# Altium PCB DS134-1.0-B色度传感器partB.PcbDoc
Units mm, origin at the board's own origin, x right, y up, seen from the top; angles counter-clockwise.
Board outline 42 x 29 mm, 2 copper layers (Top Layer, Bottom Layer), stack 1.671 mm thick; 3 components, 8 nets, 20 pads, 2 vias.
Unrouted connection lines stored in the file: 1.
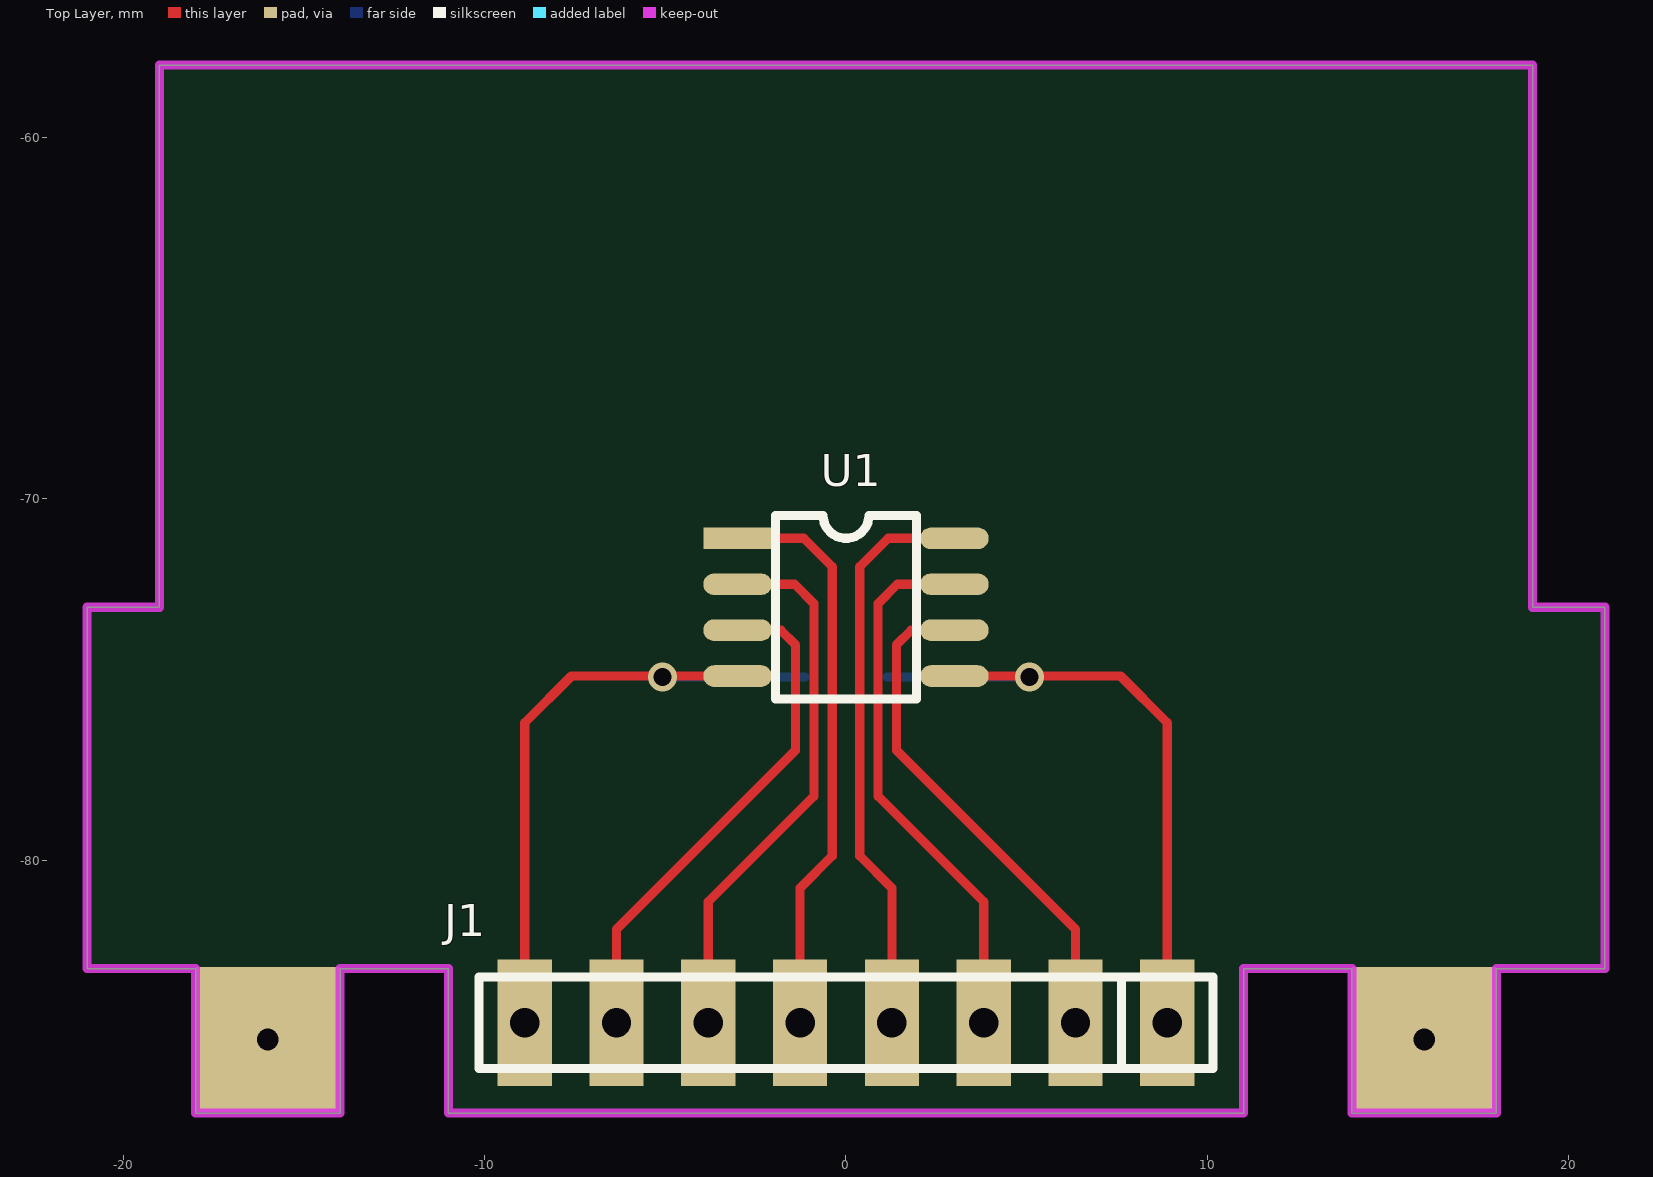
[diagram p0: Top Layer view]
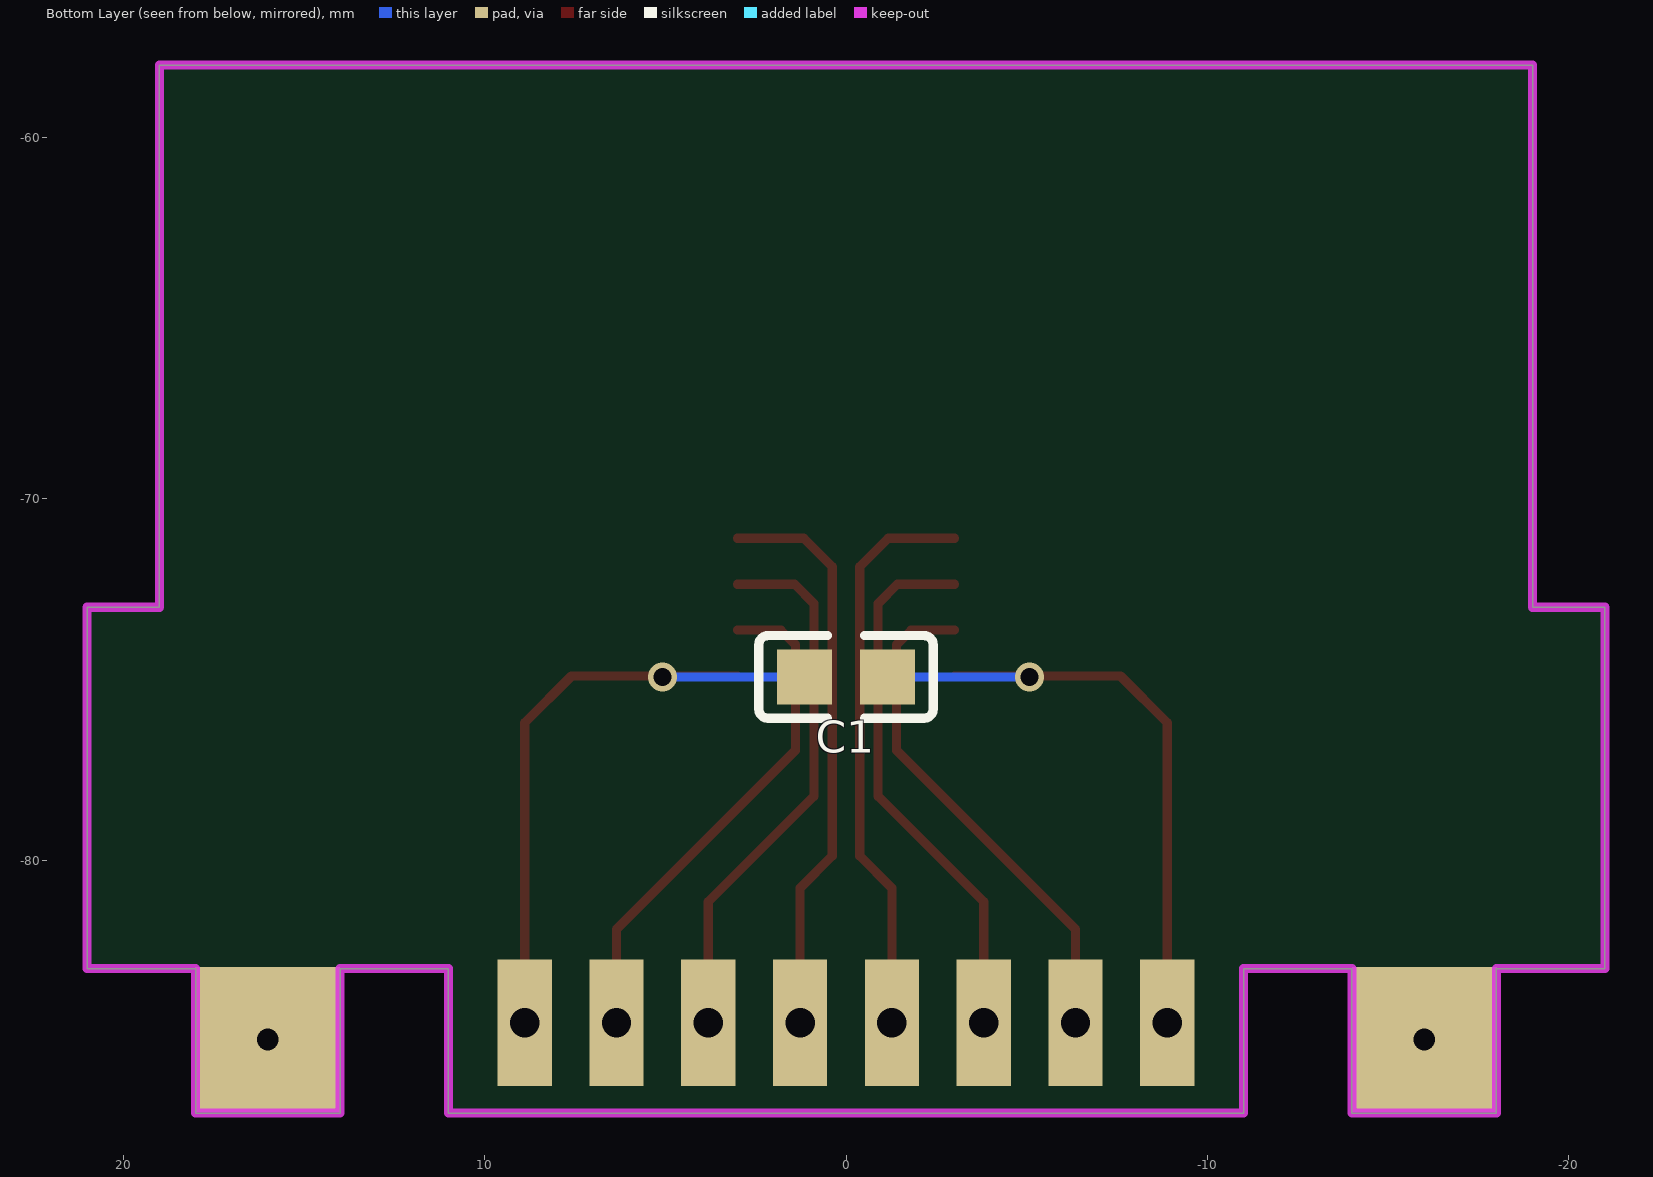
[diagram p1: Bottom Layer view, seen from below]

## Layer stack, top to bottom
Top Solder: solder mask 0.0102, Solder Resist, Dk 3.5
Top Layer: signal copper 0.0356
Dielectric 1: dielectric 1.6, FR-4, Dk 4.8
Bottom Layer: signal copper 0.0356
Bottom Solder: solder mask 0.0102, Solder Resist, Dk 3.5

## Board outline
-21,-83 -18,-83 -18,-87 -14,-87 -14,-83 -11,-83 -11,-87 11,-87 11,-83 14,-83 14,-87 18,-87 18,-83 21,-83 21,-73 19,-73 19,-58 -19,-58 -19,-73 -21,-73

## Design rules (kind name [scope] priority, off if disabled: settings)
Clearance [All] p1: gap=0.2 ignorepadtopadclearanceinfootprint=FALSE except(0: Arc-Hole Track-Hole SMDPad-Hole THPad-Hole Via-Hole Fill-Hole Poly-Hole Region-Hole Text-Hole; 0.15: SMDPad-SMDPad; 0.254: SMDPad-Via SMDPad-Fill SMDPad-Poly SMDPad-Region THPad-THPad THPad-Via THPad-Text Via-Via Via-Fill Via-Poly Via-Region Via-Text Fill-Fill Fill-Poly Fill-Region Fill-Text Poly-Poly Poly-Region Poly-Text Region-Region Region-Text Text-Text)
MinimumSolderMaskSliver [All] p1: minsoldermaskwidth=0.2
PolygonConnect [InNet('GND') vs InNet('GND')] p1: thpad.connectstyle=Relief thpad.reliefconductorwidth=0.508 thpad.reliefentries=4 thpad.polygonreliefangle="90 Angle" thpad.airgapwidth=0.254 smdpad.connectstyle=Relief smdpad.reliefconductorwidth=0.508 smdpad.reliefentries=4 smdpad.polygonreliefangle="90 Angle" smdpad.airgapwidth=0.254 via.connectstyle=Direct via.reliefconductorwidth=0.254 via.reliefentries=4 via.polygonreliefangle="45 Angle" via.airgapwidth=0.254
RoutingVias [All] p1: holewidth=0.6 width=1 viastyle="Through Hole" minholewidth=0.4 minwidth=0.8 maxholewidth=1 maxwidth=2
SilkToSilkClearance [All] p1: silktosilkclearance=0.1
SilkToSolderMaskClearance [IsPad] p1: minsilkscreentomaskgap=0.05 clearancetoexposedcopper=TRUE
SolderMaskExpansion [All] p1: expansion=0.102 istentingtop=FALSE
Width [All] p1: maxlimit=1 minlimit=0.2 preferedwidth=0.2
27 further rules are at their usual default settings.

## Classes and differential pairs
net class U1_Nets: GND OE OUT S0 S1 S2 S3 VCC_5V
net class C1_Nets: GND VCC_5V
net class J1_Nets: GND OE OUT S0 S1 S2 S3 VCC_5V

## Components (designator, comment, footprint, x,y, rotation, side; value= is the part's Value field where it differs from the comment)
C1 "SMDCAP00014" 0805CAP 0,-74.93 r180 bottom value=100nF
J1 "SL000000042" SIP8 8.89,-84.5 r180 top value=8P
U1 "TCS3200" SO-8 0,-73 r0 top

## Footprints (in the part's own frame and the unit in brackets; to place one, negate y for a bottom-side part, rotate by r counter-clockwise, add the part's x,y. Pads: shape width x height; smd on the part's side, far side on the other; paste and mask are expansions set on the pad)
0805CAP [mil]
  rect 60x60 smd: 1(-45,0) 2(45,0)
  silkscreen extent -95,-45 95,45, body extent -41,-26 38,24, height 31
SIP8 [mm]
  rect 1.5x3.5 hole 0.813: 1(0,0) 2(2.54,0) 3(5.08,0) 4(7.62,0) 5(10.16,0) 6(12.7,0) 7(15.24,0) 8(17.78,0)
  silkscreen extent -1.27,-1.27 19.05,1.27
SO-8 [mm]
  rect 1.9x0.6 smd: 1(-3,1.905)
  oval 1.9x0.6 smd: 2(-3,0.635) 3(-3,-0.635) 4(-3,-1.905) 5(3,-1.905) 6(3,-0.635) 7(3,0.635) 8(3,1.905)
  silkscreen extent -1.95,-2.54 1.95,2.54, body extent -3.07,-2.44 3.07,2.44, height 1.77

## Part data
C1: library part "MLCC 100nF 50V ±10％ 0805", "贴片电容"
J1: library part "DIP8 单排直针 1*40P 间距2.54mm 针长11mm 铜", "单排直针"

## Free pads (board coordinates)
  rect 4x4 hole 0.6: 0(-16.002,-84.963) 0(16.002,-84.963)

## Via types
v1: diameter 0.8, hole 0.5, Top Layer to Bottom Layer, tented both sides, 2 vias

## Nets (pads, with @x,y where several pads share a name; then routed paths per layer and width w, separated by ;. In a path a pad name is that pad's centre, name@x,y a point inside that pad or via, vN(x,y) a via of type N, cw(c..) or ccw(c..) an arc to the next point about the centre after c; other vN are vias at no path point)
GND: C1.2 J1.8 U1.4 | length 18.7
  Top Layer w0.254: J1.8 -8.89,-76.2 -7.595,-74.905 U1.4
  Bottom Layer w0.254: v1(-5.08,-74.93) C1.2
OE: J1.7 U1.3 | length 14.3
  Top Layer w0.254: J1.7 -6.35,-81.915 -1.397,-76.962 -1.397,-74.041 -1.803,-73.635 U1.3
OUT: J1.2 U1.6 | length 14.3
  Top Layer w0.254: U1.6 1.803,-73.635 1.397,-74.041 1.397,-76.962 6.35,-81.915 J1.2
S0: J1.5 U1.1 | length 15.9
  Top Layer w0.254: U1.1 -1.168,-71.095 -0.381,-71.882 -0.381,-79.883 -1.27,-80.772 J1.5
S1: J1.6 U1.2 | length 15.1
  Top Layer w0.254: J1.6 -3.81,-81.153 -0.889,-78.232 -0.889,-72.898 -1.422,-72.365 U1.2
S2: J1.3 U1.7 | length 15.1
  Top Layer w0.254: U1.7 1.422,-72.365 0.889,-72.898 0.889,-78.232 3.81,-81.153 J1.3
S3: J1.4 U1.8 | length 15.9
  Top Layer w0.254: J1.4 1.27,-80.772 0.381,-79.883 0.381,-71.882 1.168,-71.095 U1.8
VCC_5V: C1.1 J1.1 U1.5 | length 18.7
  Top Layer w0.254: U1.5 7.595,-74.905 8.89,-76.2 J1.1
  Bottom Layer w0.254: C1.1 v1(5.08,-74.93)

## Keep-outs
Keep-Out Layer:
  the board outline again, w0.254

## Silkscreen, mask and mechanical layers (free items; w line width, h text height)
Mechanical 1:
  the board outline again, w0.254
Mechanical 15:
  circle w0.254: c0,-83.68 r0.6
  circle w0.254: c0,-83.68 r0.6